# KiCad board GNSS_Firehose.kicad_pcb (continued)
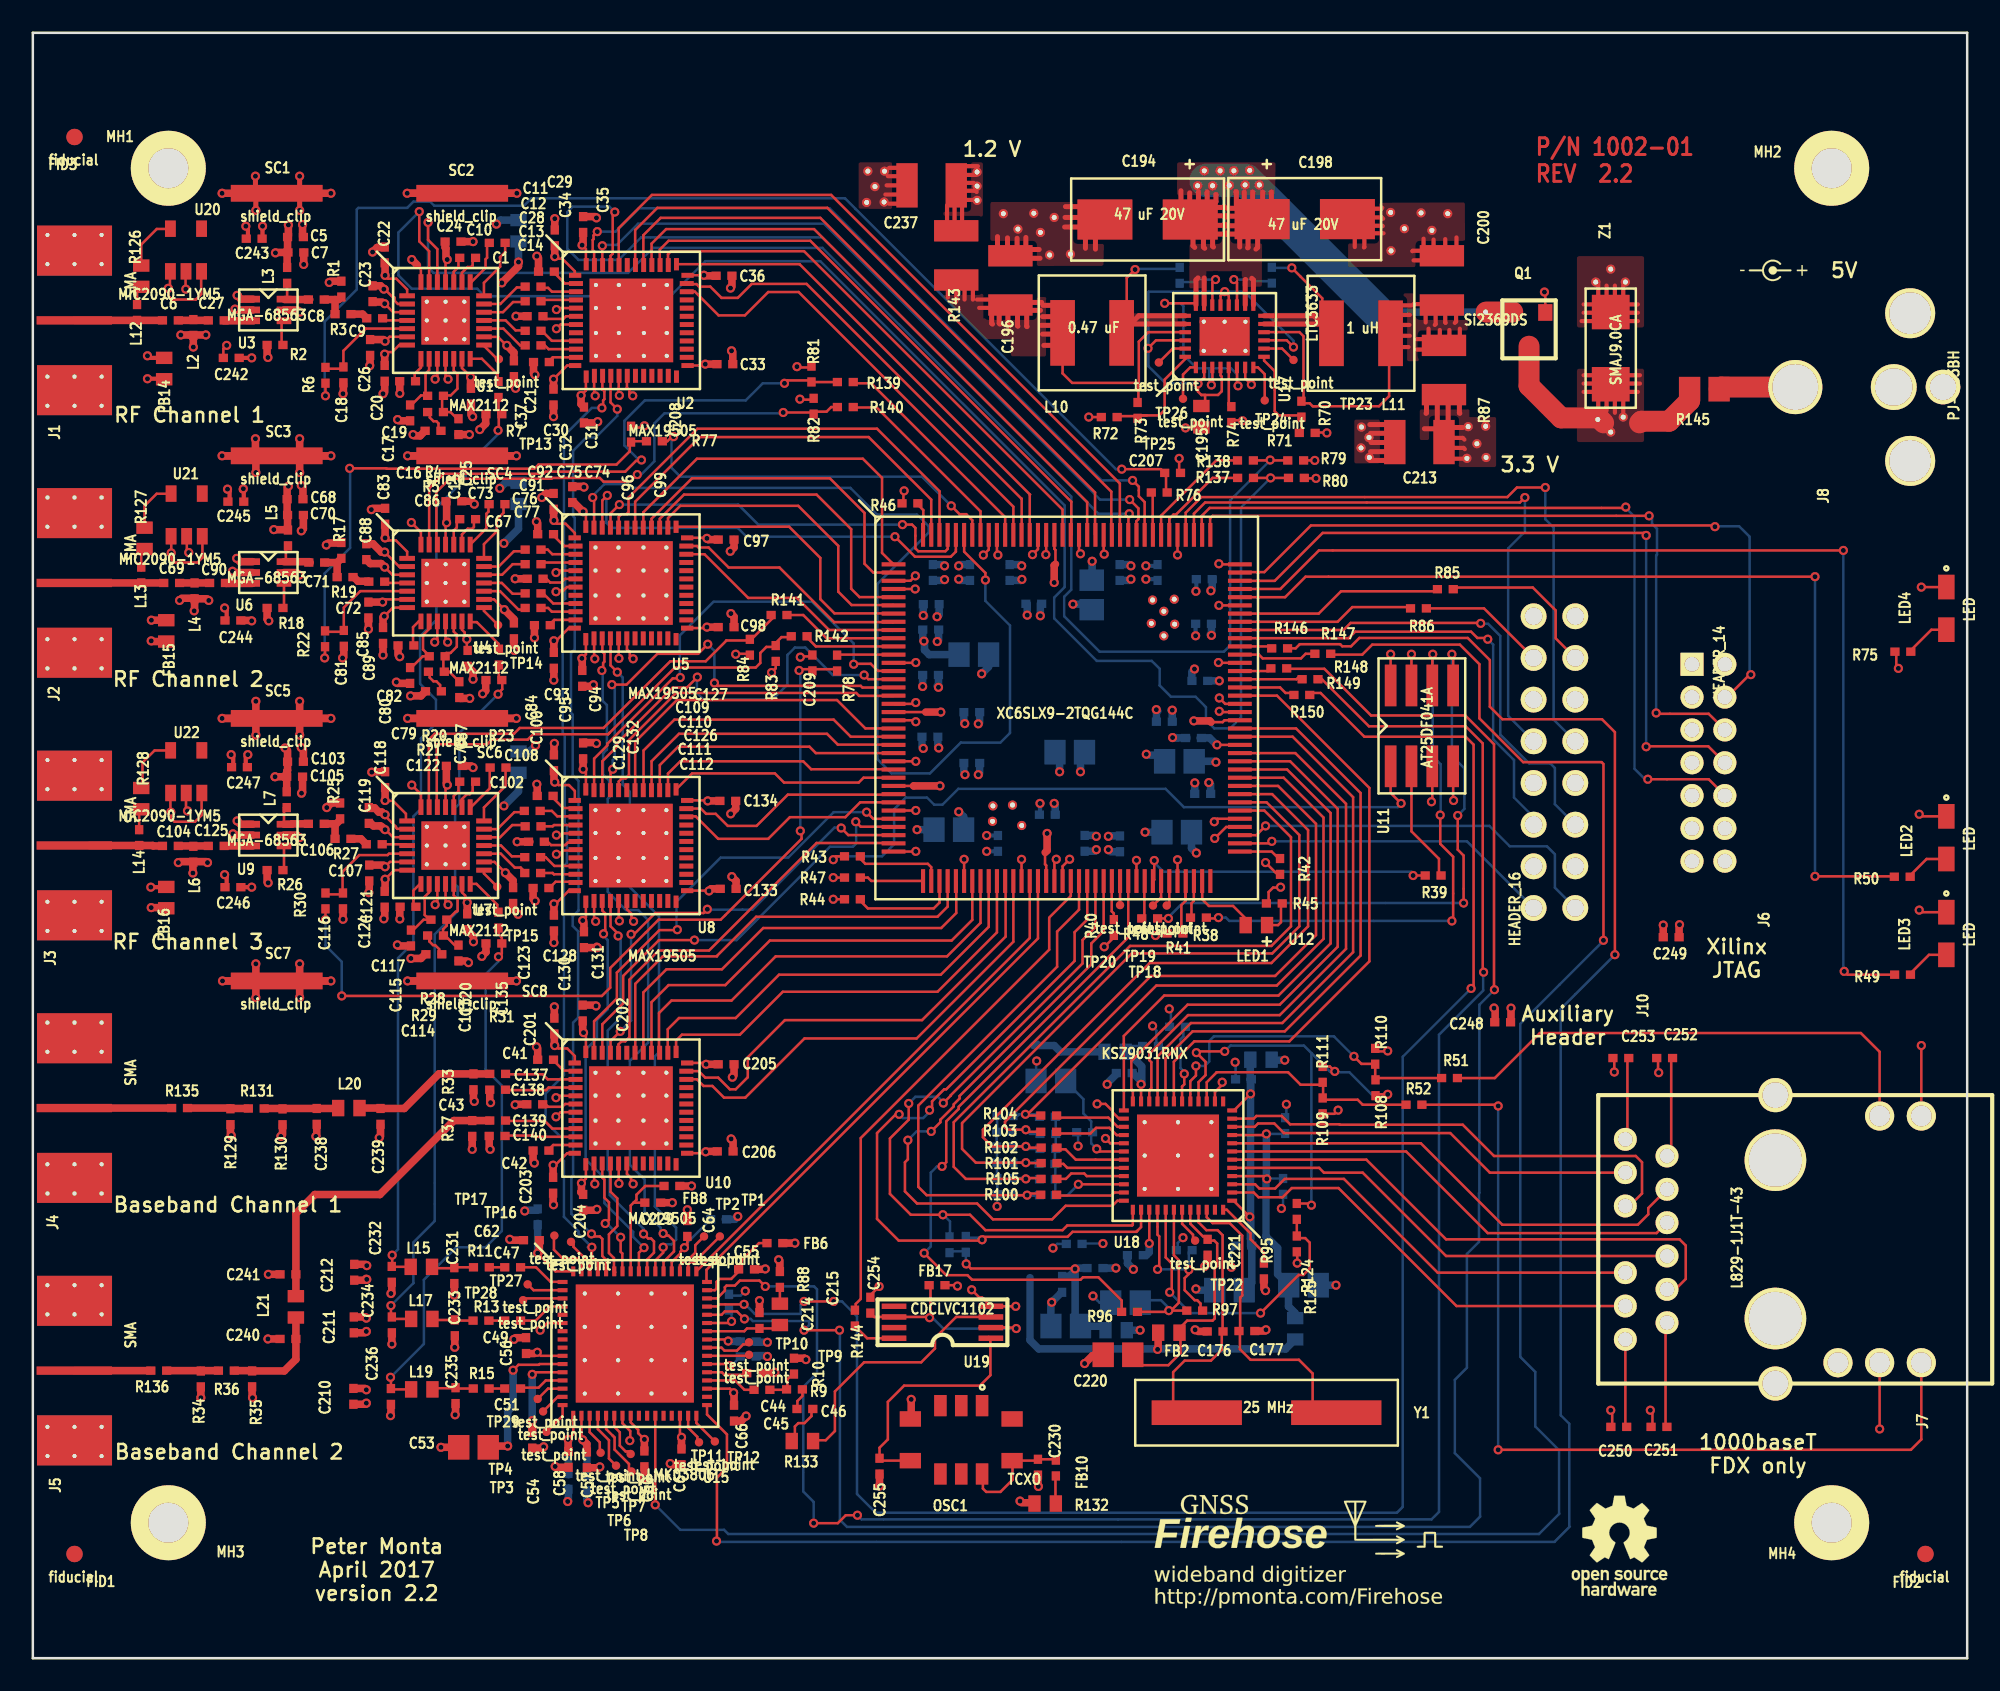
[diagram p0: board, top side]
## Routing (per net, layer and track width the routed paths; a pad name or vN(x,y) marks a point on that pad's centre or on a via; arc(x,y) is an arc through that point) (continued)
CH3_SCLK: length 26
  Top w0.152: v1(40.49,59.79) 39.85,59.16 38.99,59.16 35.59,55.75 35.59,55.55 34.7,54.66 34.7,52.9 ; v1(50.65,59.92) 50.9,59.66 52.4,59.66
  Bottom w0.152: v1(50.65,59.92) 48.74,59.92 47.07,61.6 46.43,61.6 45.97,61.14 45.97,59.33 45.06,58.42 40.87,58.42 40.46,58.83 40.46,59.77 v1(40.49,59.79)
CH3_SDA: length 28.7
  Top w0.152: R142.2 46.16,62.23 45.62,62.23 45.26,61.87 R83.2 ; 35.15,56.41 35.05,56.31 ; 35.05,56.31 39.12,60.38 44.04,60.38 44.32,60.66 44.32,61.26 44.69,61.63 45.26,61.63 ; 35.05,56.31 30.48,56.31 30.15,55.98 27.97,55.98 27.69,55.7 24.61,55.7 24.61,51.9 24.65,51.87
CH3_SDIN: length 27
  Top w0.152: 52.43,59.16 50.55,59.16 50.44,59.26 41.71,59.26 v1(41.53,59.44) ; v1(35.33,54.18) 35.2,54.05 35.2,52.9 ; v1(41.12,61.8) 40.54,61.21 38.05,61.21 36.17,59.33 v1(35.28,59.33)
  Bottom w0.152: v1(41.12,61.8) 41.53,61.39 v1(41.53,59.44) ; 35.33,54.15 35.33,54.74 35.46,54.86 35.46,59.16 v1(35.28,59.33)
CH4_CLK: length 24.4
  Top w0.152: 35.71,36.92 35.7,36.9 ; 35.68,36.89 35.68,37.41 35.86,37.59 36.09,37.59 36.35,37.85 36.35,41.35 38.13,43.13 41.2,43.13 47.75,49.68 52.42,49.68 U12.35
CH4_CLK+: length 7.4
  Top w0.152: v1(34.87,26.49) 35.08,26.7 35.1,26.7 35.1,27.79 34.82,28.07 34.82,29.16 34.7,29.29 34.7,29.36 ; 34.7,30.15 34.7,30.15 34.7,29.34 ; v1(35.81,25.65) 35.81,24.77 35.92,24.66 35.92,23.59 35.93,23.58
  Bottom w0.152: v1(34.87,26.49) 34.98,26.49 v1(35.81,25.65)
CH4_CLK-: length 7.2
  Top w0.152: 35.41,23.6 35.48,23.52 ; 35.41,23.6 35.41,24.38 35.1,24.69 35.1,25.83 35.61,26.34 35.61,28.02 35.2,28.43 35.2,30.15 35.18,30.13 ; 35.41,23.6 35.43,23.58
CH4_CS: length 27.6
  Top w0.152: 34.2,36.9 34.2,38.82 35.59,40.21 35.59,41.78 38.18,44.37 39.24,44.37 v1(39.27,44.4) ; 52.4,51.16 51.21,51.16 v1(50.8,51.56)
  Bottom w0.152: 39.24,44.37 39.22,44.4 39.22,46.1 41.91,48.79 46.02,48.79 48.79,51.56 v1(50.8,51.56)
CH4_D0: length 28
  Top w0.152: 39.82,35.28 39.83,35.28 40.46,35.28 40.87,34.87 41.4,34.87 42.11,34.16 43.41,34.16 47.02,37.77 53.85,37.77 59.74,43.66 U12.48
CH4_D1: length 27.9
  Top w0.152: 59.26,47.35 U12.47 ; 59.27,47.33 59.27,43.98 54.18,38.89 45.82,38.89 43.56,36.63 43.56,35.41 42.82,34.67 42.47,34.67 41.76,35.38 40.97,35.38 40.57,35.78 39.82,35.78
CH4_D2: length 26.1
  Top w0.152: 39.2,36.95 39.19,36.96 39.19,37.64 39.55,38 43.08,38 45.69,40.61 55.12,40.61 58.74,44.24 U12.46
CH4_D3: length 26.4
  Top w0.152: U12.45 58.24,44.58 55.32,41.66 45.47,41.66 42.82,39.01 39.37,39.01 38.68,38.33 38.68,36.92 38.7,36.9
CH4_D4: length 26.9
  Top w0.152: U12.44 57.74,44.81 55.7,42.77 45.26,42.77 42.57,40.08 38.91,40.08 38.15,39.32 38.15,36.95 38.2,36.9
CH4_D5: length 27.1
  Top w0.152: U12.43 57.24,45 55.98,43.74 44.91,43.74 42.19,41.02 38.73,41.02 37.69,39.98 37.69,36.91 37.7,36.9
CH4_D6: length 26.7
  Top w0.152: 37.2,36.9 37.2,40.58 38.61,41.99 41.99,41.99 44.5,44.5 55.35,44.5 56.26,45.42 56.26,47.34 U12.41
CH4_D7: length 26.8
  Top w0.152: 36.7,36.9 36.7,36.91 36.7,41.1 38.38,42.77 41.68,42.77 41.68,42.8 44.07,45.19 55.12,45.19 55.74,45.81 U12.40
CH4_SCLK: length 26.4
  Top w0.152: v1(40.31,43.76) 38.15,43.76 35.97,41.58 35.97,39.9 34.7,38.64 34.7,36.9 ; 52.35,50.67 50.44,50.67 v1(50.14,50.98)
  Bottom w0.152: v1(50.14,50.98) 50.17,50.95 50.17,49.66 49.96,49.45 48.56,49.45 42.88,43.76 v1(40.31,43.76)
CH4_SDIN: length 26.6
  Top w0.152: v1(36.45,44.12) 36.63,44.12 37.92,45.42 40.87,45.42 v1(41.1,45.64) ; 35.2,36.9 35.2,37.61 v1(35.79,38.2) ; v1(49.25,50.6) 49.68,50.17 52.37,50.17
  Bottom w0.152: v1(35.79,38.2) 36.45,38.86 v1(36.45,44.12) ; v1(41.1,45.64) 41.12,45.62 43.84,45.62 48.84,50.62 49.23,50.62 v1(49.25,50.6)
CLK_3888: length 31.6
  Top w0.152: 61.93,45.14 63.24,46.45 U12.55 ; 61.93,45.11 61.93,43.18 50.44,31.7 50.44,21.89 50.14,21.59 50.14,21.26 50.09,21.21
CLOCK_CLK: length 114.9
  Top w0.152: 43.36,21.54 v1(43.33,21.56) 41.83,21.56 41.71,21.44 41.09,21.44 U15.45 ; 77.67,58.8 77.7,58.83 78.46,58.83 81.13,56.16 87.3,56.16 87.78,55.68 87.78,40.97 v1(87.63,40.82) ; v1(46.99,21.74) v1(48.79,21.74)
  Bottom w0.152: v1(48.79,21.74) 49.3,21.74 50.22,20.83 50.22,10.01 51.36,8.86 83.11,8.86 83.46,9.22 83.46,36.65 v1(87.63,40.82) ; v1(46.99,21.74) 46.79,21.54 46.79,20.98 43.99,20.98 43.41,21.56 v1(43.33,21.56)
CLOCK_DATA: length 120.7
  Top w0.152: 78.56,59.64 78.17,59.64 ; v1(50.24,8.71) 49.53,8.71 49.05,8.23 v1(47.57,8.23) ; 78.54,59.66 81.41,56.79 87.3,56.79 88.34,55.75 88.34,41.86 v1(88.39,41.81) ; U15.46 41.69,21.93 42.16,22.4 42.16,22.61 42.27,22.71 42.77,22.71 43.08,23.01 44.27,23.01 v1(44.63,22.66)
  Bottom w0.152: v1(88.39,41.81) 88.37,41.78 88.37,40.69 85.67,38 85.67,8.92 85.22,8.46 50.5,8.46 v1(50.24,8.71) ; v1(44.63,22.66) 47.6,22.66 47.78,22.48 47.78,17.37 46.94,16.54 46.94,10.16 47.57,9.53 v1(47.57,8.23)
CLOCK_FTEST_LD: length 136.1
  Top w0.152: 76.36,61.54 76.94,61.54 77.19,61.8 79.65,61.8 79.78,61.67 80.31,61.67 80.82,62.18 87.43,62.18 88.77,60.83 88.77,57.99 89.53,57.23 95.61,57.23 96.39,56.44 v1(96.39,42.88) 96.49,42.77 ; U15.33 41.08,14.85 42.29,13.64 42.29,11.61 41.68,11 41.68,7.16 v1(41.66,7.14)
  Bottom w0.152: 93.61,7.99 93.61,14.29 93.09,14.81 93.09,39.57 v1(96.39,42.88) ; 93.65,8.03 92.71,7.09 41.71,7.09 v1(41.66,7.14)
CLOCK_LE: length 123.6
  Top w0.152: v1(46.99,19.99) v1(49.15,19.99) ; v1(43.36,20.68) 42.9,21.13 42.16,21.13 41.96,20.93 U15.44 ; 76.44,60.33 76.47,60.3 78.69,60.3 81.53,57.45 87.27,57.45 89.03,55.7 89.03,40.77 v1(89.05,40.74)
  Bottom w0.152: 88.18,8.62 88.18,10.96 86.64,12.5 86.64,16.97 87.38,17.7 87.38,24.64 88.11,25.37 88.11,28.35 88.14,28.37 88.14,39.83 v1(89.05,40.74) ; 88.19,8.64 87.55,8 49.61,8 49.17,8.43 49.17,19.96 v1(49.15,19.99) ; v1(43.36,20.68) 43.74,20.68 43.87,20.55 47.29,20.55 47.29,20.29 v1(46.99,19.99)
CLOCK_READBACK: length 132.4
  Top w0.152: v1(37.92,9.35) 37.92,14.77 37.93,14.78 ; 78.99,61.21 79.05,61.16 81,61.16 81.61,61.77 86.94,61.77 88.14,60.58 88.14,57.28 90.81,54.61 95.58,54.61 95.68,54.51 ; 95.68,43.74 v1(95.69,43.75) 95.69,54.5
  Bottom w0.152: v1(37.92,9.35) 39.45,7.82 42.11,7.82 42.37,7.57 91.77,7.57 93.01,8.81 ; 92.99,8.79 92.99,12.67 91.54,14.12 91.54,17.45 90.63,18.36 90.63,38.66 95.68,43.71
FPGA_CLK+: length 32.8
  Top w0.152: U15.48 41.05,22.96 41.05,23.67 61.24,43.87 U12.51
FPGA_CLK-: length 32.2
  Top w0.152: U12.50 60.74,43.89 40.45,23.6
PHY_MDC: length 39
  Top w0.152: v1(53.31,31.57) 53.31,30.4 53.14,30.23 53.14,28.45 53.87,27.71 57.53,27.71 58.5,26.75 62.1,26.75 62.93,27.57 65.77,27.57 66.08,27.88 U18.36 ; U12.59 65.24,44.31 64.49,43.56 64.49,42.29 56.46,34.26 56.46,34.11 56.11,33.76 56.11,33.63 55.3,32.82 55.3,32.66 v1(54.74,32.11)
  Bottom w0.152: v1(54.74,32.11) 53.85,32.11 v1(53.31,31.57)
PHY_MDINT: length 46.5
  Top w0.152: 67.23,25.98 63.35,25.98 63.04,25.68 57.89,25.68 57.89,25.55 v1(57.84,25.5) 57.78,25.45 52.76,25.45 51.44,26.77 51.44,32 52.58,33.15 v1(52.78,33.15) ; 67.23,25.98 67.31,26.06 ; 67.23,25.98 67.52,26.27 U18.38 ; v1(54.64,33.4) 54.79,33.55 54.79,33.93 55.52,34.67 55.65,34.67 63.47,42.49 63.47,44.25 64.24,45.01 U12.57
  Bottom w0.152: v1(57.84,25.5) 57.72,25.62 56.85,25.62 ; v1(52.78,33.15) 53.01,32.92 54.25,32.92 54.64,33.3 v1(54.64,33.4)
PHY_MDIO: length 44.2
  Top w0.152: U12.58 64.74,44.55 63.96,43.77 63.96,42.34 55.93,34.32 55.93,34.29 v1(55.47,33.83) ; v1(53.37,33.81) 53.37,32.82 52.22,31.67 52.22,28.3 53.49,27.03 v1(55.45,27.03) 57.1,27.03 58.04,26.09 62.74,26.09 63.02,26.37 66.98,26.37 67.02,26.41 67.02,27.33
  Bottom w0.152: 55.85,25.6 55.88,25.62 55.88,26.62 55.47,27.03 v1(55.45,27.03) ; v1(55.47,33.83) 55.47,33.88 55.14,34.21 53.77,34.21 v1(53.37,33.81)
PHY_NRESET: length 42.1
  Top w0.152: v1(55.4,29.97) 55.65,30.23 55.65,32.72 56.41,33.48 56.41,33.6 66.74,43.93 U12.62 ; v1(54.31,24.69) 55.65,23.34 56.95,23.34 57.23,23.06 63.83,23.06 63.98,23.22 64.92,23.22 66.34,21.79 66.34,21.18 66.42,21.11
  Bottom w0.152: v1(55.4,29.97) 55.09,29.97 54.71,29.59 54.71,25.1 v1(54.31,24.69)
PHY_RX_CLK: length 31.9
  Top w0.152: 61.37,28.32 60.76,28.32 60.63,28.19 60.6,28.19 v1(60.58,28.22) 54.46,28.22 53.95,28.73 53.95,33.68 62.41,42.14 62.41,44.28 63.74,45.62 U12.56
  Bottom w0.152: 60.67,28.19 60.01,28.19 59.98,28.22 ; 60.7,28.19 61.39,28.19 61.46,28.27
PHY_RX_CTL: length 44.5
  Top w0.152: 61.36,29.26 60.63,29.26 ; 60.63,29.18 60.6,29.21 v1(60.5,29.21) 56.85,29.21 56.11,29.95 56.11,32.66 66.85,43.41 75.46,43.41 76.66,44.6 76.66,50.04 75.03,51.66 U12.78
  Bottom w0.152: 60.65,29.26 59.93,29.26 ; 60.67,29.26 61.28,29.26 61.41,29.13
PHY_RXD0: length 43.7
  Top w0.152: 60.68,30.2 60.71,30.18 61.37,30.18 ; U12.79 75.17,52.16 77.17,50.17 77.17,44.6 75.51,42.95 66.95,42.95 56.62,32.61 56.62,31.04 57.45,30.2 v1(60.5,30.2) 60.65,30.2
  Bottom w0.152: 61.41,30.12 61.33,30.2 60.7,30.2 ; 59.91,30.18 59.93,30.2 60.65,30.2
PHY_RXD1: length 42
  Top w0.152: U12.80 75.51,52.66 77.7,50.47 77.7,44.6 75.46,42.37 68.05,42.37 57.89,32.21 57.89,31.75 58.45,31.19 v1(60.5,31.19) 60.58,31.12 R102.1 61.36,31.19
  Bottom w0.152: R119.1 v1(60.5,31.19) 60.66,31.04 R115.2
PHY_RXD2: length 40.5
  Top w0.152: U12.81 75.87,53.16 78.18,50.85 78.18,44.07 75.69,41.58 68.12,41.58 59.23,32.69 59.23,32.33 59.36,32.21 v1(60.5,32.21) 60.63,32.08 R103.1
  Bottom w0.152: R116.2 60.76,31.95 v1(60.5,32.21) 59.81,32.21 R120.1
PHY_RXD3: length 38.5
  Top w0.152: R104.1 60.55,33.07 v1(60.48,33.15) 60.6,33.15 68.45,41 75.79,41 78.64,43.84 78.64,51.23 76.21,53.66 U12.82
  Bottom w0.152: 59.99,33.05 60.09,33.15 v1(60.48,33.15) 61.21,33.15 61.37,32.99
PHY_TX_CLK: length 33.5
  Top w0.152: U12.84 76.61,54.66 79.5,51.77 79.5,43.36 75.97,39.83 70.36,39.83 66.93,36.4 66.93,34.7 67.02,34.6 67.02,33.93
PHY_TX_CTL: length 34.1
  Top w0.152: U12.83 76.42,54.16 79.07,51.51 79.07,43.56 75.9,40.39 68.94,40.39 66.47,37.92 66.47,37.44 66.47,37.44 U18.25
PHY_TXD0: length 37.7
  Top w0.152: U12.92 75.81,58.66 81.43,53.04 81.43,42.47 76.56,37.59 70.76,37.59 69.52,36.35 69.52,33.94 U18.19
PHY_TXD1: length 36
  Top w0.152: U18.20 69.01,33.94 69.01,36.55 70.66,38.2 76.28,38.2 80.9,42.82 80.9,52.73 76.97,56.66 U12.88
PHY_TXD2: length 35.2
  Top w0.152: U18.21 68.53,33.94 68.53,36.68 70.56,38.71 76.12,38.71 80.44,43.03 80.44,52.48 76.76,56.16 U12.87
PHY_TXD3: length 34.2
  Top w0.152: U18.22 68.02,33.93 68.02,34.62 68.15,34.75 68.15,36.32 68.02,36.45 68.02,36.83 70.38,39.19 75.97,39.19 80.01,43.23 80.01,52.07 76.92,55.16 U12.85
Net-(C1-Pad1): length 2.9
  Top w0.152: C1.1 27.68,86.12 27.68,85.35 27.58,85.26 27.58,84.73 26.72,83.87 26.65,83.87
Net-(C1-Pad2): length 3.8
  Top w0.152: 27.49,83.03 27.49,83.82 28.47,84.81 28.47,85.34 28.47,85.34 28.47,85.39 28.78,85.7 C1.2
Net-(C6-Pad1): length 5.4
  Top w0.457: 2.54,81.53 L12.2 C6.1
Net-(C8-Pad1): length 2.5
  Top w0.152: 15.37,82.83 15.49,82.96 L3.2
  Top w0.457: 16.87,82.8 15.35,82.8
Net-(C8-Pad2): length 2.2
  Top w0.152: 18.42,82.8 18.64,82.8 R1.1
  Top w0.457: 18.42,82.8 18.42,81.92 ; C8.2 18.64,82.8
Net-(C9-Pad1): length 1.1
  Top w0.457: C9.1 20.09,81.92 R3.1
Net-(C9-Pad2): length 1.6
  Top w0.152: 22.81,81.53 21.23,81.53
Net-(C10-Pad1): length 1.6
  Top w0.152: 25.65,83.87 25.65,84.5 25.93,84.79 25.93,85.26 26.02,85.34
Net-(C10-Pad2): length 1.9
  Top w0.152: 26.82,85.34 26.8,85.33 26.8,84.89 26.7,84.79 26.49,84.79 26.15,84.44 26.15,83.87
Net-(C11-Pad1): length 3
  Top w0.152: 27.49,82.53 28.48,82.53 29.49,83.54 30.05,83.54 30.08,83.57
Net-(C11-Pad2): length 2.3
  Top w0.152: 33.07,83.28 31.63,83.28 31.39,83.52 30.93,83.52 30.88,83.57
Net-(C12-Pad1): length 2.9
  Top w0.152: 30.08,82.68 30.05,82.65 29.26,82.65 28.64,82.03 27.49,82.03
Net-(C12-Pad2): length 2.2
  Top w0.152: 30.88,82.68 30.99,82.78 33.07,82.78
Net-(C13-Pad1): length 2.9
  Top w0.152: 27.49,81.53 28.8,81.53 29.41,80.92 30.05,80.92 30.08,80.9
Net-(C13-Pad2): length 2.7
  Top w0.152: 30.91,80.92 30.88,80.9 ; 33.07,80.29 33.07,80.29 ; 33.07,80.29 33.07,80.28 ; 33.07,80.29 31.62,80.29 31.01,80.9 30.89,80.9 ; 31.01,80.77 30.88,80.9
Net-(C14-Pad1): length 3
  Top w0.152: 30.08,80.01 29.69,80.01 28.67,81.03 27.49,81.03
Net-(C14-Pad2): length 2.3
  Top w0.152: 30.88,80.01 31.19,80.01 31.42,79.78 33.07,79.78 33.07,79.78
Net-(C16-Pad1): length 1.5
  Top w0.152: 24.19,75.95 24.19,75.61 24.41,75.39 24.59,75.39 24.71,75.26 24.71,74.81 24.71,74.8
Net-(C19-Pad1): length 1.6
  Top w0.152: 23.21,77.88 23.27,77.93 23.27,78.28 23.65,78.66 23.65,79.19 ; 23.22,77.88 23.16,77.83
Net-(C27-Pad1): length 2.7
  Top w0.152: L2.1 8.92,81.58 C6.2
  Top w0.457: C6.2 10.67,81.53
Net-(C27-Pad2): length 1.8
  Top w0.457: 13.44,81.51 11.64,81.51
Net-(C28-Pad1): length 2.2
  Top w0.152: 31.13,81.65 31.17,81.62 32.32,81.62 32.48,81.78 33.07,81.78 ; 31.13,81.66 31,81.79
Net-(C29-Pad1): length 1.7
  Top w0.152: 31.69,84.51 32.41,83.78 33.07,83.78
Net-(C30-Pad1): length 1.8
  Top w0.152: 33.07,79.28 31.68,79.28 31.39,78.99
Net-(C41-Pad1): length 1.7
  Top w0.152: 33.07,35.78 33.04,35.81 32.33,35.81 31.67,36.47 31.64,36.47
Net-(C42-Pad1): length 1.9
  Top w0.152: 33.07,31.28 31.7,31.28 31.36,30.94
Net-(C43-Pad1): length 2.2
  Top w0.152: 33.07,33.78 32.43,33.78 32.26,33.6 31.39,33.6 31.27,33.73 31.01,33.73 30.98,33.76
Net-(C44-Pad2): length 2.7
  Top w0.152: 43.56,17.39 43.44,17.27 42.14,17.27 41.98,17.43 U15.37 ; 43.53,17.43 43.58,17.37
Net-(C45-Pad1): length 2.4
  Top w0.152: 46.37,17.4 45.97,17 45.97,16.36 ; 44.82,16.36 45.98,16.36 46.01,16.38
Net-(C45-Pad2): length 3.2
  Top w0.152: 44.02,16.36 43.36,16.36 42.79,16.93 U15.36
Net-(C46-Pad1): length 2.6
  Top w0.152: 47.44,15.19 47.44,14.75 47.02,14.33 46.63,14.33 46.43,14.12 46.43,13.32 46.34,13.23
Net-(C46-Pad2): length 1.3
  Top w0.152: R9.1 46.89,15.98 46.58,15.67 46.58,15.21 C46.2
Net-(C47-Pad2): length 1
  Top w0.152: 28.78,23.83 27.78,23.83
Net-(C49-Pad2): length 1
  Top w0.152: 28.78,20.57 27.78,20.57
Net-(C51-Pad2): length 1
  Top w0.152: 28.78,16.43 27.79,16.43
Net-(C53-Pad1): length 9.1
  Top w0.152: U15.11 30.88,17.93 30.84,17.88 29.59,17.88 v1(29.26,17.55)
  Top w0.457: v1(28.93,12.93) 27.82,12.93 C53.1
  Bottom w0.457: v1(28.93,12.93) 28.93,15.04 29.26,15.37 v1(29.26,17.55)
Net-(C54-Pad1): length 5.5
  Top w0.152: v1(30.43,17.3) 30.56,17.43 U15.12 32.25,17.4
  Top w0.457: C54.1 v1(30.43,14.48)
  Bottom w0.457: v1(30.43,17.3) 30.43,14.43
Net-(C55-Pad1): length 5.5
  Top w0.152: 43.12,23.68 43.18,23.74 43.18,24.23 44.25,25.3 44.81,25.3 ; U15.47 41.55,22.43 41.66,22.53 41.66,22.94 41.83,23.11 42.55,23.11 43.14,23.7
Net-(C57-Pad1): length 4.7
  Top w0.152: 33.53,13.26 33.43,13.36 33.43,14.78
  Top w0.457: C57.1 33.76,13.06 v1(33.5,13.31)
  Bottom w0.457: 33.76,11.09 33.76,13.02 33.53,13.26
Net-(C58-Pad1): length 4.4
  Top w0.152: 32.93,14.78 32.93,13.65 v1(32.61,13.34)
  Top w0.457: v1(32.61,13.34) 32.61,12.62 C58.1
  Bottom w0.457: 32.61,13.28 32.63,13.27 32.63,11.18
Net-(C62-Pad1): length 5.3
  Top w0.152: 30.78,24.64 31.84,23.58 32.93,23.58
  Top w0.457: 30.78,24.66 30.86,24.74 C62.1
  Bottom w0.457: 30.78,24.66 v1(30.76,24.69) 30.76,26.5
Net-(C64-Pad1): length 5
  Top w0.152: 39.88,25.79 39.88,25.2 v1(39.7,25.02) 39.45,24.77 39.45,24.66 38.93,24.15 38.93,23.58
  Bottom w0.152: FB7.2 39.7,25.15 v1(39.7,25.02) ; 41.38,26.75 41.38,26.7
Net-(C67-Pad1): length 2.9
  Top w0.152: 26.65,67.87 26.65,67.87 27.64,68.86 27.64,69.75 27.76,69.88 27.76,70.29 C67.1
Net-(C67-Pad2): length 3.8
  Top w0.152: 27.49,67.03 27.49,67.9 28.27,68.68 28.27,69.4 28.68,69.81 28.68,70.24 C67.2
Net-(C69-Pad1): length 5.4
  Top w0.457: J2.1 L13.2 C69.1
Net-(C69-Pad2): length 1.7
  Top w0.457: 9.04,65.53 9.76,65.53 9.78,65.55 ; 9.8,65.53 10.78,65.53
Net-(C71-Pad1): length 2.8
  Top w0.152: 15.42,66.83 15.42,67.95 15.44,67.98
  Top w0.457: U6.6 16.85,66.83 16.9,66.78
Net-(C71-Pad2): length 2
  Top w0.457: R19.2 18.54,66.78 ; 18.54,66.78 C71.2 ; 18.54,66.78 R17.1
Net-(C72-Pad1): length 1.1
  Top w0.457: C72.1 20.45,65.63 19.81,65.63 19.56,65.89 R19.1
Net-(C72-Pad2): length 1.6
  Top w0.152: 22.81,65.53 21.35,65.53 C72.2
Net-(C73-Pad1): length 1.8
  Top w0.152: 25.65,67.87 25.65,68.72 25.83,68.91 25.83,69.28 26.02,69.47
Net-(C73-Pad2): length 2.1
  Top w0.152: C73.2 26.87,69.32 26.87,68.94 26.77,68.83 26.49,68.83 26.15,68.49 26.15,67.87
Net-(C74-Pad1): length 3
  Top w0.152: 27.49,66.53 28.38,66.53 29.31,67.46 29.98,67.46 30.08,67.56
Net-(C74-Pad2): length 2.3
  Top w0.152: 30.88,67.56 31.37,67.56 31.65,67.28 33.07,67.28 33.07,67.28
Net-(C75-Pad1): length 2.9
  Top w0.152: 27.49,66.03 28.59,66.03 29.24,66.68 30.08,66.68
Net-(C75-Pad2): length 2.2
  Top w0.152: 30.88,66.68 31.09,66.68 31.19,66.78 33.07,66.78 33.07,66.78
Net-(C76-Pad1): length 3
  Top w0.152: 27.49,65.53 28.58,65.53 29.24,64.87 30.05,64.87 30.06,64.88 ; 30,64.82 30.08,64.9
Net-(C76-Pad2): length 2.7
  Top w0.152: 31.17,64.8 30.98,64.8 ; 30.98,64.8 30.93,64.84 ; 30.98,64.8 31.19,64.8 31.7,64.28 33.07,64.28 ; 30.98,64.8 30.88,64.9
Net-(C77-Pad1): length 3.2
  Top w0.152: 27.49,65.03 28.47,65.03 29.59,63.91 29.98,63.91 30.08,64.01 30,63.93
Net-(C77-Pad2): length 2.3
  Top w0.152: 33.07,63.78 31.62,63.78 31.39,64.01 30.88,64.01
Net-(C79-Pad1): length 1.6
  Top w0.152: 24.82,58.93 24.82,59.31 24.59,59.54 24.41,59.54 24.18,59.77 24.18,60.12 ; 24.77,58.97 24.81,58.93
Net-(C82-Pad1): length 1.8
  Top w0.152: 23.65,63.19 23.52,63.19 23.16,62.84 23.16,61.75 23.13,61.72
Net-(C90-Pad2): length 1.7
  Top w0.457: C90.2 11.76,65.51 U6.3
Net-(C91-Pad1): length 2.3
  Top w0.152: 31.01,65.79 31.03,65.76 31.32,65.76 31.52,65.56 32.21,65.56 32.43,65.78 33.07,65.78
Net-(C92-Pad1): length 1.7
  Top w0.152: 31.64,68.5 32.36,67.78 33.07,67.78
Net-(C93-Pad1): length 1.8
  Top w0.152: 33.07,63.28 31.77,63.28 31.45,62.96
Net-(C102-Pad1): length 2.9
  Top w0.152: 26.65,51.87 26.7,51.87 27.84,53.01 27.84,54.25 C102.1
Net-(C102-Pad2): length 3.8
  Top w0.152: 27.49,51.03 27.49,51.84 28.8,53.16 28.8,54.25 C102.2
Net-(C104-Pad1): length 4.8
  Top w0.457: 6.73,49.53 3.43,49.53 ; C104.1 7.34,49.5 7.32,49.53 6.45,49.53
Net-(C104-Pad2): length 2.8
  Top w0.152: L6.1 8.89,49.48 C104.2
  Top w0.457: C104.2 C125.1
Net-(C106-Pad1): length 2.7
  Top w0.152: 15.47,52 15.3,51.84 U9.6
  Top w0.457: C106.1 15.8,50.85 15.77,50.83 U9.6
Net-(C106-Pad2): length 2
  Top w0.457: C106.2 18.34,50.85 18.42,50.77 ; R25.1 18.72,51.08 18.42,50.77 ; 18.42,49.94 18.42,50.77
Net-(C107-Pad1): length 1.1
  Top w0.457: R27.1 19.99,49.94 C107.1
Net-(C107-Pad2): length 1.7
  Top w0.152: 22.81,49.53 22.73,49.61 21.18,49.61
Net-(C108-Pad1): length 1.7
  Top w0.152: 25.99,53.42 25.93,53.36 25.93,52.83 25.65,52.54 25.65,51.87
Net-(C108-Pad2): length 1.9
  Top w0.152: 26.15,51.87 26.15,52.36 26.44,52.65 26.62,52.65 26.8,52.83 26.8,53.41 26.79,53.42
Net-(C109-Pad1): length 3
  Top w0.152: 27.49,50.53 28.31,50.53 29.34,51.56 29.95,51.56 30.03,51.64
Net-(C109-Pad2): length 2.4
  Top w0.152: 30.83,51.64 31.62,51.64 31.95,51.31 33.05,51.31 33.07,51.28
Net-(C110-Pad1): length 2.9
  Top w0.152: 30.08,50.7 30,50.77 29.21,50.77 28.47,50.03 27.49,50.03
Net-(C110-Pad2): length 2.2
  Top w0.152: 30.88,50.7 31.67,50.7 31.75,50.77 33.07,50.77 33.07,50.78
Net-(C111-Pad1): length 2.9
  Top w0.152: 27.49,49.53 28.52,49.53 29.18,48.87 30,48.87 30.05,48.82
Net-(C111-Pad2): length 2.4
  Top w0.152: 33.07,48.28 33.07,48.29 31.78,48.29 31.24,48.82 30.85,48.82
Net-(C112-Pad1): length 3.1
  Top w0.152: 27.49,49.03 28.52,49.03 29.36,48.18 29.72,48.18 30.05,47.85
Net-(C112-Pad2): length 2.3
  Top w0.152: 33.07,47.78 31.75,47.78 31.75,47.78 31.67,47.85 30.85,47.85
Net-(C114-Pad1): length 1.8
  Top w0.152: 24.16,44.04 24.16,43.76 24.16,43.79 ; 24.16,44.04 24.16,43.68 24.38,43.46 24.51,43.46 24.76,43.21 24.76,42.9 24.74,42.92